# Altium PCB SIm800C-V2.PcbDoc
Units mil, origin at the board's own origin, x right, y up, seen from the top; angles counter-clockwise.
Board outline 2735 x 3935 mil, 2 copper layers (Top Layer, Bottom Layer); 67 components, 47 nets, 226 pads, 124 vias.
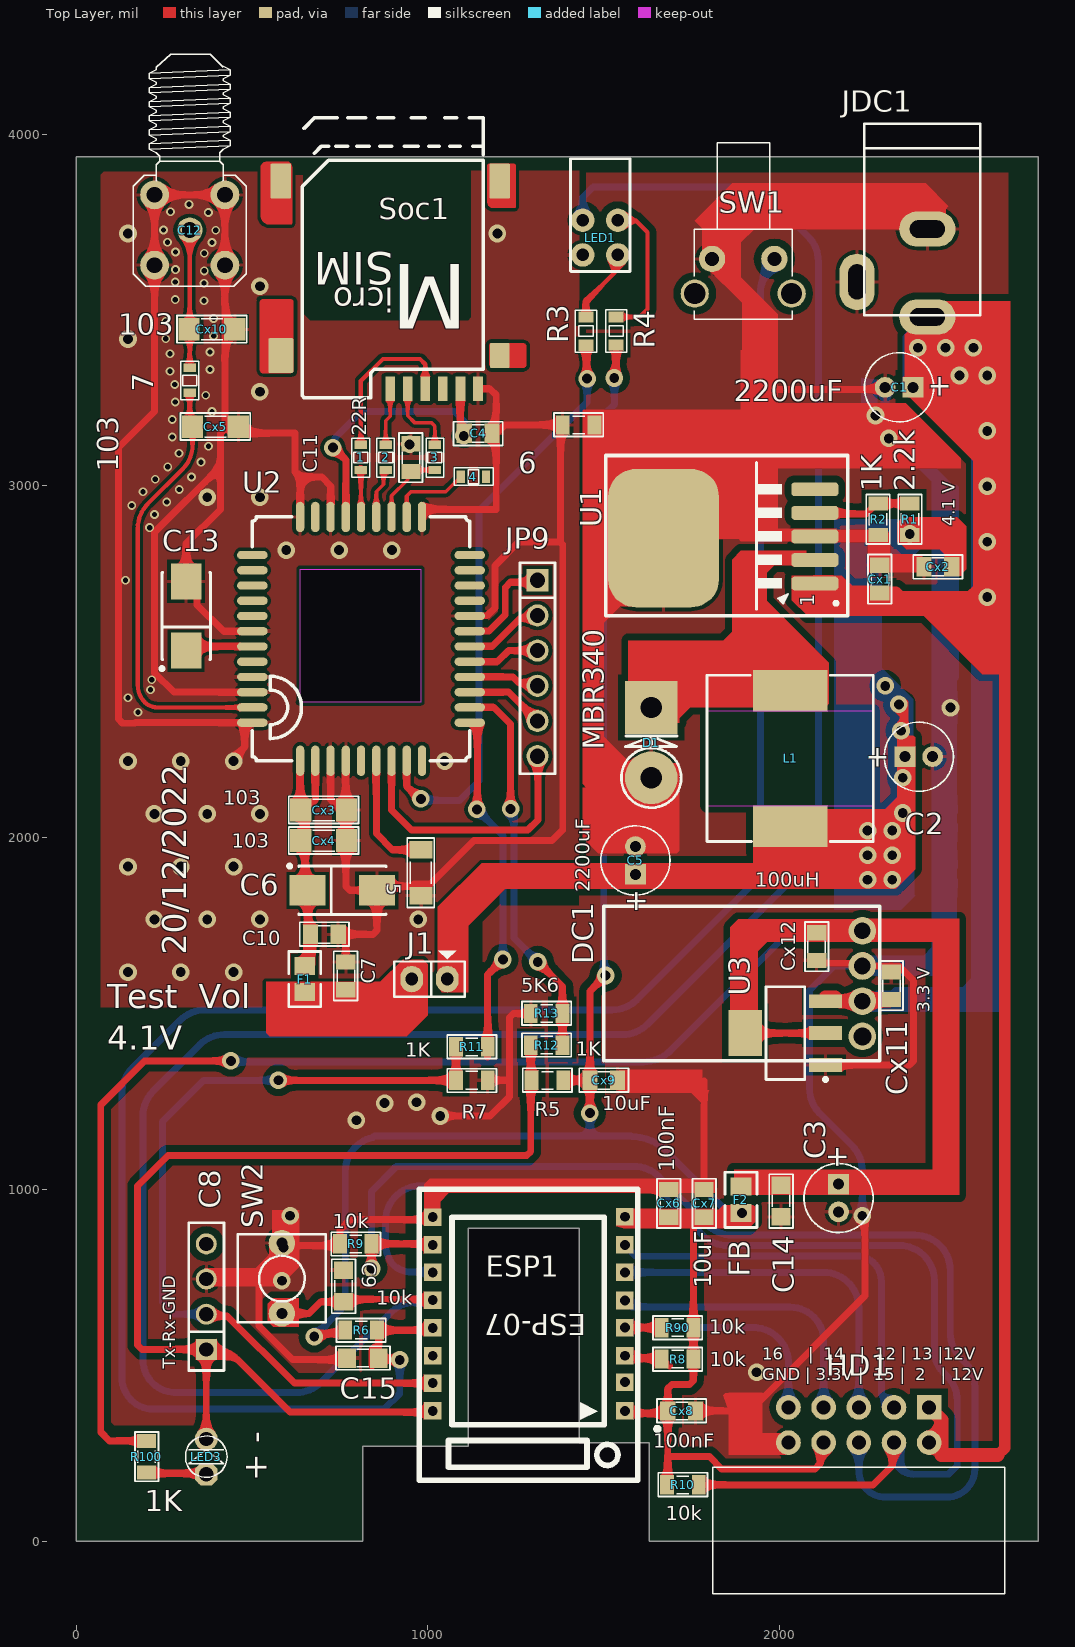
[diagram p0: Top Layer view]
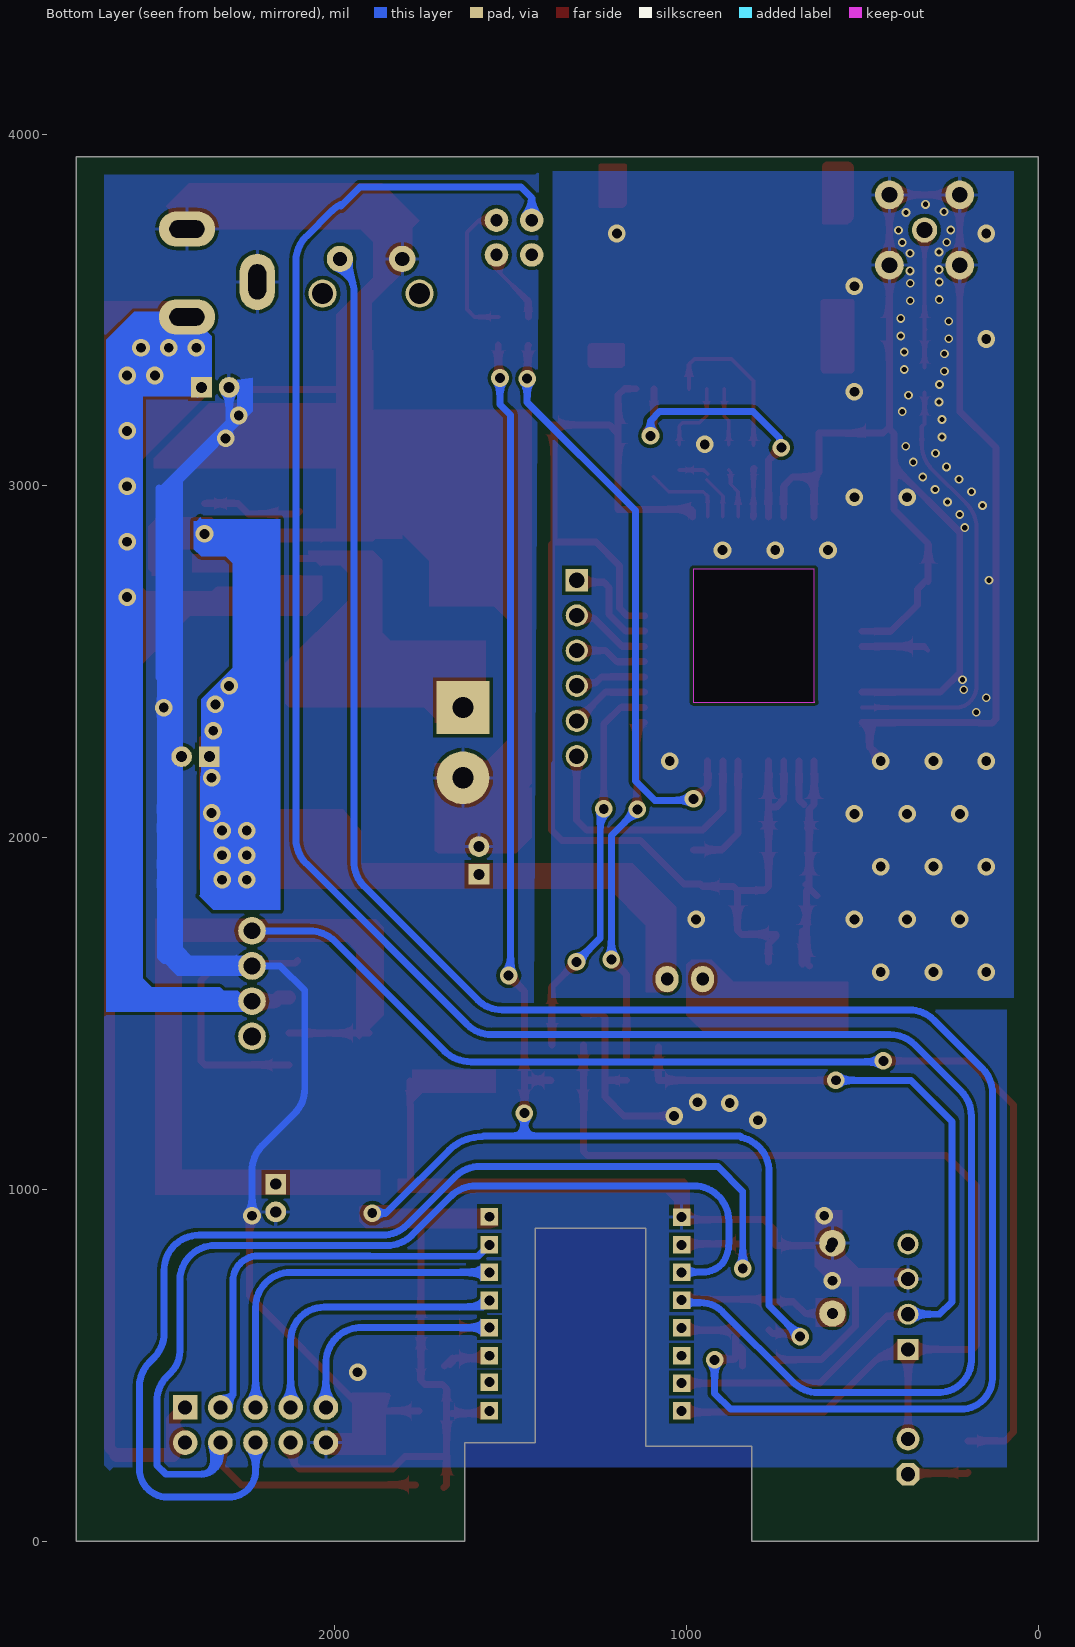
[diagram p1: Bottom Layer view, seen from below]

## Layer stack, top to bottom
Top Solder: solder mask 0.4, Solder Resist, Dk 3.5
Top Layer: signal copper 1.4
Dielectric 1: dielectric 12.6, FR-4, Dk 4.8
Bottom Layer: signal copper 1.4
Bottom Solder: solder mask 0.4, Solder Resist, Dk 3.5

## Board outline
0,0 815,0 815,270 1115,270 1115,890 1430,890 1430,280 1630,280 1630,0 2735,0 2735,3935 0,3935
cut-out: 980,2763.31 980,2385 635,2385 636.69,2386.69 636.69,2763.31

## Design rules (kind name [scope] priority, off if disabled: settings)
Clearance Clearance_5 [InNamedPolygon('SGND_L01_P015')] p1: gap=20 ignorepadtopadclearanceinfootprint=FALSE
Clearance Clearance_4 [InNamedPolygon('SGND_L01_P015')] p2: gap=10 ignorepadtopadclearanceinfootprint=FALSE except(0: Arc-Hole Track-Hole SMDPad-Hole THPad-Hole Via-Hole Fill-Hole Poly-Hole Region-Hole Text-Hole)
Clearance Clearance_3 [InNamedPolygon('SGND_L01_P015')] p3: gap=10 ignorepadtopadclearanceinfootprint=FALSE except(0: Arc-Hole Track-Hole SMDPad-Hole THPad-Hole Via-Hole Fill-Hole Poly-Hole Region-Hole Text-Hole)
Clearance "Polygon Top" [InNamedPolygon('GND_L01_P016')] p4: gap=20 ignorepadtopadclearanceinfootprint=FALSE
Clearance "Polygon Angten" [InNamedPolygon('SGND_L01_P005')] p5: gap=20 ignorepadtopadclearanceinfootprint=FALSE
Clearance Clearance_2 [InNamedPolygon('Top Layer-GND')] p6: gap=19.68 ignorepadtopadclearanceinfootprint=FALSE
Clearance Clearance_1 [InNamedPolygon('Bottom Layer-No Net')] p7: gap=19.68 ignorepadtopadclearanceinfootprint=FALSE
Clearance [All] p8: gap=10 ignorepadtopadclearanceinfootprint=FALSE except(0: Arc-Hole Track-Hole SMDPad-Hole THPad-Hole Via-Hole Fill-Hole Poly-Hole Region-Hole Text-Hole)
PolygonConnect PolygonConnect_6 [All vs IsNamedPolygon('GND_L_SIM_L01_P015')] p1: thpad.connectstyle=Relief thpad.reliefconductorwidth=10 thpad.reliefentries=4 thpad.polygonreliefangle="90 Angle" thpad.airgapwidth=10 smdpad.connectstyle=Relief smdpad.reliefconductorwidth=10 smdpad.reliefentries=4 smdpad.polygonreliefangle="90 Angle" smdpad.airgapwidth=10 via.connectstyle=Direct via.reliefconductorwidth=10 via.reliefentries=4 via.polygonreliefangle="90 Angle" via.airgapwidth=10
PolygonConnect PolygonConnect_5 [All vs IsNamedPolygon('GND_L01_P016')] p2: thpad.connectstyle=Relief thpad.reliefconductorwidth=10 thpad.reliefentries=4 thpad.polygonreliefangle="90 Angle" thpad.airgapwidth=10 smdpad.connectstyle=Relief smdpad.reliefconductorwidth=10 smdpad.reliefentries=4 smdpad.polygonreliefangle="90 Angle" smdpad.airgapwidth=10 via.connectstyle=Direct via.reliefconductorwidth=10 via.reliefentries=4 via.polygonreliefangle="90 Angle" via.airgapwidth=10
PolygonConnect PolygonConnect_4 [All vs IsNamedPolygon('GND_L_SIM_L01_P015')] p3: thpad.connectstyle=Relief thpad.reliefconductorwidth=10 thpad.reliefentries=4 thpad.polygonreliefangle="90 Angle" thpad.airgapwidth=10 smdpad.connectstyle=Direct smdpad.reliefconductorwidth=10 smdpad.reliefentries=4 smdpad.polygonreliefangle="90 Angle" smdpad.airgapwidth=10 via.connectstyle=Relief via.reliefconductorwidth=10 via.reliefentries=4 via.polygonreliefangle="90 Angle" via.airgapwidth=10
PolygonConnect PolygonConnect_3 [All vs IsNamedPolygon('GND_L02_P018')] p4: thpad.connectstyle=Relief thpad.reliefconductorwidth=10 thpad.reliefentries=4 thpad.polygonreliefangle="90 Angle" thpad.airgapwidth=10 smdpad.connectstyle=Relief smdpad.reliefconductorwidth=10 smdpad.reliefentries=4 smdpad.polygonreliefangle="90 Angle" smdpad.airgapwidth=10 via.connectstyle=Direct via.reliefconductorwidth=10 via.reliefentries=4 via.polygonreliefangle="90 Angle" via.airgapwidth=10
PolygonConnect PolygonConnect_2 [All vs IsNamedPolygon('GND_L_SIM_L02_P017')] p5: thpad.connectstyle=Relief thpad.reliefconductorwidth=10 thpad.reliefentries=4 thpad.polygonreliefangle="90 Angle" thpad.airgapwidth=10 smdpad.connectstyle=Relief smdpad.reliefconductorwidth=10 smdpad.reliefentries=4 smdpad.polygonreliefangle="90 Angle" smdpad.airgapwidth=10 via.connectstyle=Direct via.reliefconductorwidth=10 via.reliefentries=4 via.polygonreliefangle="90 Angle" via.airgapwidth=10
PolygonConnect PolygonConnect_1 [All vs IsNamedPolygon('GND_L_SIM_L01_P005')] p6: thpad.connectstyle=Relief thpad.reliefconductorwidth=10 thpad.reliefentries=4 thpad.polygonreliefangle="90 Angle" thpad.airgapwidth=10 smdpad.connectstyle=Relief smdpad.reliefconductorwidth=10 smdpad.reliefentries=4 smdpad.polygonreliefangle="90 Angle" smdpad.airgapwidth=10 via.connectstyle=Direct via.reliefconductorwidth=10 via.reliefentries=4 via.polygonreliefangle="90 Angle" via.airgapwidth=10
PolygonConnect [All] p7: connectstyle=Relief reliefconductorwidth=10 reliefentries=4 polygonreliefangle="90 Angle" airgapwidth=10
RoomDefinition Sheet1 [InComponentClass('Sheet1')] p1: confinementstyle=ConfineIn formatcopy=TRUE lockcomponents=FALSE outline 2815,70 4830,70 4830,610 2815,610
RoomDefinition MCU [InComponentClass('MCU')] p2: confinementstyle=ConfineIn formatcopy=TRUE lockcomponents=FALSE outline 2815,70 6030,70 6030,1180 2815,1180
RoomDefinition SIM [InComponentClass('SIM')] p3: confinementstyle=ConfineIn formatcopy=TRUE lockcomponents=FALSE outline 7455,1950 14135,1950 14135,2875 7455,2875
RoomDefinition Power [InComponentClass('Power')] p4: confinementstyle=ConfineIn formatcopy=TRUE lockcomponents=FALSE outline 6820,-780 15160,-780 15160,1030 6820,1030
RoutingVias [All] p1: holewidth=28 width=50 viastyle="Through Hole" minholewidth=28 minwidth=50 maxholewidth=28 maxwidth=50
SolderMaskExpansion [All] p1: expansion=4 istentingtop=FALSE
Width [All] p1: maxlimit=39.37 minlimit=10 preferedwidth=19.68
30 further rules are at their usual default settings.

## Classes and differential pairs
component class Sheet1: C8 LED1 LED3 R3 R4 R5 R7 R11 R12 R13 R100
component class MCU: C9 C14 C15 Cx6 Cx7 Cx8 Cx9 ESP1 F2 HD1 R6 R8 R9 R10 R90 SW1 SW2
component class SIM: 1 2 3 4 5 6 7 C4 C6 C7 C10 C11 C12 C13 Cx3 Cx4 Cx5 Cx10 F1 JP9 Soc1 U2
component class Power: C1 C2 C3 C5 Cx1 Cx2 Cx11 Cx12 D1 DC1 J1 JDC1 L1 R1 R2 U1 U3

## Components (designator, comment, footprint, x,y, rotation, side; value= is the part's Value field where it differs from the comment)
1 "22R" RES-SMD-0603 809.25,3080 r90 top
2 "22R" RES-SMD-0603 880,3080 r90 top
3 "22R" RES-SMD-0603 1020,3080 r90 top
4 "22R" RES-SMD-0603 1130.21,3025.99 r180 top
5 "Res" RES-SMD-1206 980,1900 r90 top
6 "Res" RES-SMD-0805 1428.32,3172.99 r180 top
7 "22R" RES-SMD-0603 323.02,3299.62 r90 top
C1 "2200uF" CA-ALU-5 2339.37,3280 r180 top value=104
C2 "330uF" CA-ALU-5 2395.63,2230 r0 top value=104
C3 "330uF" CA-ALU-5 2167.52,975.39 r270 top value=104
C4 "10uF" CN-SMD-0805 1142.61,3149 r0 top value=33pF
C5 "2200uF" CA-ALU-5 1590,1935 r90 top value=104
C6 "Cap" Cap_C 756.77,1850 r0 top
C7 "CN" CN-SMD-0805 766.69,1606.87 r270 top value=33pF
C8 "JP4" JP4-C1T 370,545 r90 top
C9 "104" SM-CAP-0805 760,680 r90 top value=0,1uF/300V
C10 "CN" CN-SMD-0805 705.63,1725 r180 top value=33pF
C11 "22pF" CN-SMD-0805 951.86,3080 r270 top value=33pF
C12 "210111003" SMA-RA 323.02,3727.26 r180 top
C13 "Cap" Cap_C 312.88,2629.96 r90 top
C14 "104" SM-CAP-0805 2003.74,922 r90 top value=0,1uF/300V
C15 "104" SM-CAP-0805 860,520 r180 top value=0,1uF/300V
Cx1 "1uF" CN-SMD-0805 2285,2735 r270 top value=33pF
Cx2 "100nF" CN-SMD-0805 2450,2770 r0 top value=33pF
Cx3 "103" CN-SMD-1206 702.62,2078.39 r0 top value=33pF
Cx4 "103" CN-SMD-1206 702.62,1991.41 r0 top value=33pF
Cx5 "103" CN-SMD-1206 395,3167.99 r0 top value=33pF
Cx6 "100nF" CN-SMD-0805 1685,960 r270 top value=33pF
Cx7 "10uF" CN-SMD-0805 1785,960 r90 top value=33pF
Cx8 "100nF" CN-SMD-0805 1721.25,370 r180 top value=33pF
Cx9 "10uF" CN-SMD-0805 1500,1310 r180 top value=33pF
Cx10 "103" CN-SMD-1206 385,3445 r0 top value=33pF
Cx11 "1uF" CN-SMD-0805 2317.5,1578.88 r270 top value=33pF
Cx12 "1uF" CN-SMD-0805 2105,1690 r90 top value=33pF
D1 "MBR340" DIO-5AN 1635,2370 r270 top value=1N5007
DC1 "DC_V2" DC_V2 2285,1365 r180 top
ESP1 "ESP_8266" ESP12_small 1287.95,586.5 r180 top
F1 "600R@100Mhz" Capacitor_805 650,1597.77 r270 top
F2 "FB" Capacitor_805 1890,970.18 r90 top
HD1 "IDC 5x2" IDC10-BH 2225,185 r180 top value="Header 5x2"
J1 "Jumper 2" JP2 1055,1597.77 r180 top value="JP 2"
JDC1 "Jac DC" DC0 2320,3605 r270 top
JP9 "JP6" JP6-D1T 1311.62,2731.54 r270 top
L1 "100uH" L-SMD-M-12x10 2030,2225 r0 top
LED1 "LED3" LedC 1574.65,3929.8 r180 top
LED3 "LED" LED-3MM-GREEN 370,190 r90 top value="LED 3 ly Single Colour"
R1 "2.2k" RES-SMD-0805 2370,2905 r90 top
R2 "1K" RES-SMD-0805 2280,2905 r270 top
R3 "R" RES-SMD-0603_BIG 1449.46,3439.75 r270 top
R4 "R" RES-SMD-0603_BIG 1535,3440 r270 top
R5 "Res" RES-SMD-0805 1340,1310 r180 top
R6 "10k" RES-SMD-0805 810,600 r0 top
R7 "Res" RES-SMD-0805 1125,1310.08 r0 top
R8 "10k" RES-SMD-0805 1710,517.51 r0 top
R9 "10k" RES-SMD-0805 795,845 r0 top
R10 "10k" RES-SMD-0805 1725,160 r180 top
R11 "1K" RES-SMD-0805 1125,1405 r180 top
R12 "1K" RES-SMD-0805 1337.5,1410 r180 top
R13 "5K6" RES-SMD-0805 1337.5,1500 r180 top
R90 "10k" RES-SMD-0805 1710,607 r0 top
R100 "1K" RES-SMD-0805 200,240 r90 top
Soc1 "MicroSIM" microSIM 1142.61,3275.92 r180 top
SW1 "SW" SW1-DIP 1985,3645 r180 top value="SW chip 2 pin"
SW2 "SW" SW2 585,646.95 r90 top value="SW chip 2 pin"
U1 "LM" "TO263 - duplicate" 1865,2841.22 r90 top
U2 "SIM800C" SIM800C 810,2565 r180 top
U3 "LM1117-3.3V" SOT223 2016.16,1444.2 r90 top

## Footprints (in the part's own frame and the unit in brackets; to place one, negate y for a bottom-side part, rotate by r counter-clockwise, add the part's x,y. Pads: shape width x height; smd on the part's side, far side on the other; paste and mask are expansions set on the pad)
CA-ALU-5 [mm] "Polarized capacitors, Aluminum Electrolytic Capacitors, 2-Leads, Body 5x11x2x0.5"
  rect 1.5x1.5 hole 0.8: 1(-1,0)
  round 1.5 hole 0.8: 2(1,0)
  silkscreen extent -2.5,-2.5 2.5,2.5, body extent -2.41,-2.5 2.59,2.5, height 11
Cap_C [mm] "Capacitor, SM Tantalum; Body 6.0 x 3.2 mm (LxW typ)"
  rect 2.6x2.2 smd: 1(-2.5,0) 2(2.5,0)
  silkscreen extent -3.92,-1.75 3.15,1.87, body extent -3,-1.6 3,1.6, height 2.5
Capacitor_805 [mm]
  rect 1.3x1.5 smd: 1(0.95,0) 2(-0.95,0)
  silkscreen extent -2,-1.15 2,1.15, body extent -1,-0.63 1,0.62, height 0.78
CN-SMD-0805 [mil]
  rect 43.31x55 smd: 1(-39.36,0.01) 2(39.37,0.01)
  silkscreen extent -70,-34 70,33, body extent -39,-25 39,25, height 31
CN-SMD-1206 [mil]
  rect 60x65 smd: 1(-64,0) 2(66,0)
  silkscreen extent -98,-38 100,39, body extent -63,-31 63,32, height 40
DC0 [mil] "Jac DC input"
  oval 100x160 hole 50 slot 100 at 90 deg: 1(125,100) 2(-125,100)
  oval 160x100 hole 50 slot 100 at 0 deg: 3(25,-100)
  silkscreen extent -425,-80 120,250, body extent -410,-105 134,269, height 434
DC_V2 [mm]
  round 2 hole 1.2: 1(1.27,-4.318) 2(1.27,-6.858) 3(1.27,-9.398)
  round 2 hole 1.3: 4(1.27,-1.778)
  silkscreen extent 0,-11.18 19.94,0
DIO-5AN [mil] "Diode 5A, W 200mil, L 250mil"
  round 150 hole 60: 1(200,0)
  rect 150x150 hole 60: 2(0,0)
  silkscreen extent 81,-85 285,85, body extent -32,-111 222,90, height 451
ESP12_small [mil]
  rect 50x50 hole 27.95: 1(-272.05,216.5) 2(-272.05,134.5) 3(-272.05,59.5) 4(-272.05,-20.5) 5(-272.05,-97.5) 6(-272.05,-177.5) 7(-272.05,-255.5) 8(-272.05,-335.5) 9(274.13,-334.5) 10(274.13,-255.5) 11(274.13,-177.5) 12(274.13,-98.5) 13(274.13,-19.5) 14(274.13,59.5) 15(274.13,137.5) 16(274.13,216.5)
  silkscreen extent -370,-414 312,414, body extent -319,-392 320,552, height 354
IDC10-BH [mil]
  rect 70x70 hole 40: 1(-200,-195)
  round 70 hole 40: 2(-200,-95) 3(-100,-195) 4(-100,-95) 5(0,-195) 6(0,-95) 7(100,-195) 8(100,-95) 9(200,-195) 10(200,-95)
  silkscreen extent -415,-25 415,335, body extent -412,-204 412,330, height 354
JP2 [mil]
  oval 65x75 hole 36: 1(0,0) 2(101,0)
  silkscreen extent -50,-81 150,50, body extent -48,-50 148,48, height 323
JP4-C1T [mm] "4 row, straight, gold plating"
  rect 1.52x1.52 hole 1.02: 1(0,0)
  round 1.52 hole 1.02: 2(2.54,0) 3(5.08,0) 4(7.62,0)
  silkscreen extent -1.52,-1.27 9.14,1.27, body extent -1.52,-1.25 9.14,1.25, height 8.51
JP6-D1T [mm] "6 pins, 1 row, straight, gold plating"
  rect 1.6x1.6 hole 1.1: 1(0,0)
  round 1.6 hole 1.1: 2(2.54,0) 3(5.08,0) 4(7.62,0) 5(10.16,0) 6(12.7,0)
  silkscreen extent -1.27,-1.27 13.97,1.27, body extent -1.27,-1.27 13.97,1.27, height 8.54
L-SMD-M-12x10 [mm] "WE-PDA SMD Shielded Power Inductor, 1210"
  rect 5.4x3 smd: 1(0,4.9) 2(0,-4.9)
  Top Layer keep-out region: -6,-3.4 6,-3.4 6,3.4 -6,3.4
  silkscreen extent -6,-6 6,6, body extent -6,-6 6,6, height 9.7
LED-3MM-GREEN [mil]
  oct 65x65 hole 40: 1(0,0)
  round 65 hole 40: 2(100,0)
  silkscreen extent -9,-59 109,59, body extent -15,-70 112,60, height 182
LedC [mm]
  round 1.7 hole 0.9: 1(0.88,4.44) 2(3.42,4.44) 3(0.88,6.947) 4(3.42,6.947)
  silkscreen extent 0,0 4.3,8.13
microSIM [mm] "microSIM PUSH"
  rrect10% 0.7x1.8 smd: 1(1.27,0) 2(3.81,0) 3(6.35,0) 5(0,0) 6(2.54,0) 7(5.08,0)
  rrect10% 1.4x1.8 smd: 10(-1.56,-2.4)
  rrect10% 1.8x2.5 smd: 11(14.24,-2.4)
  rrect10% 1.5x2.5 smd: 12(-1.56,-15) 13(14.24,-15)
  silkscreen extent -0.38,-19.56 12.7,0.63, body extent -0.94,-16.45 13.46,-0.45, height 1.26
RES-SMD-0603 [mm]
  rect 0.6x0.9 smd: 1(-0.889,0) 2(0.927,0)
  silkscreen extent -1.4,-0.64 1.4,0.64, body extent -0.8,-0.4 0.8,0.4, height 0.43
RES-SMD-0603_BIG [mm]
  rect 0.8x1.1 smd: 1(-1.016,0) 2(1.016,0)
  silkscreen extent -1.52,-0.76 1.52,0.76, body extent -0.8,-0.4 0.8,0.4, height 0.43
RES-SMD-0805 [mil]
  rect 39.37x55 smd: 1(-45,0) 2(45,0)
  silkscreen extent -70,-34 70,33, body extent -39,-25 39,25, height 31
RES-SMD-1206 [mil]
  rect 50x65 smd: 1(-65,0) 2(65,0)
  silkscreen extent -99,-38 99,39, body extent -63,-31 63,32, height 40
SIM800C [mm]
  oval 2.2x0.6 smd: 1(-7.85,6.05) 2(-7.85,4.95) 3(-7.85,3.85) 4(-7.85,2.75) 5(-7.85,1.65) 6(-7.85,0.55) 7(-7.85,-0.55) 8(-7.85,-1.65) 9(-7.85,-2.75) 10(-7.85,-3.85) 11(-7.85,-4.95) 12(-7.85,-6.05) 22(7.85,-6.05) 23(7.85,-4.95) 24(7.85,-3.85) 25(7.85,-2.75) 26(7.85,-1.65) 27(7.85,-0.55) 28(7.85,0.55) 29(7.85,1.65) 30(7.85,2.75) 31(7.85,3.85) 32(7.85,4.95) 33(7.85,6.05)
  oval 0.6x2.2 smd: 13(-4.4,-8.8) 14(-3.3,-8.8) 15(-2.2,-8.8) 16(-1.1,-8.8) 17(0,-8.8) 18(1.1,-8.8) 19(2.2,-8.8) 20(3.3,-8.8) 21(4.4,-8.8) 34(4.4,8.8) 35(3.3,8.8) 36(2.2,8.8) 37(1.1,8.8) 38(0,8.8) 39(-1.1,8.8) 40(-2.2,8.8) 41(-3.3,8.8) 42(-4.4,8.8)
  silkscreen extent -7.85,-8.8 7.85,8.8, body extent -7.85,-8.8 7.85,8.8, height 2.37
SM-CAP-0805 [mil]
  rect 50x55 smd: 1(0,0) 2(90,0)
  silkscreen extent -32,-34 121,33, body extent 6,-25 84,25, height 31
SMA-RA [mil]
  round 72 hole 45: 1(0,0)
  round 82 hole 45: 2(-100,-100) 3(100,-100) 4(100,100) 5(-100,100)
  silkscreen extent -160,-500 160,160, body extent -137,-457 139,137, height 394
SOT223 [mm]
  rect 1x2.4 smd: 1(-2.3,-2.9) 2(0,-2.9) 3(2.3,-2.9)
  rect 3.3x2.4 smd: 4(0,2.9)
  silkscreen extent -3.47,-3.03 3.35,1.4, body extent -3.25,-3.56 3.25,3.4, height 1.68
SW1-DIP [mil]
  round 75 hole 40: 1(0,0) 2(177.16,0)
  round 80 hole 60: ""(-49.21,98.43) ""(226.38,98.43)
  silkscreen extent -51,-331 228,171, body extent -87,-398 265,160, height 283
SW2 [mil] "SW button 2pin, 250x 250 mil"
  round 75 hole 31: 1(0,0) 2(200,0)
  silkscreen extent -25,-125 225,125
"TO263 - duplicate" [mm]
  rrect50% 1x3.4 smd: 1(-3.019,-5.969) 2(-1.319,-5.969) 4(2.081,-5.969) 5(3.781,-5.969)
  rrect50% 1x3.4 smd mask+0: 3(0.381,-5.969)
  rrect50% 10x8 smd: 6(0.254,4.953)
  silkscreen extent -5.33,-8.35 6.22,9.14, body extent -4.73,-6.84 5.43,7.8, height 4.57

## Part data
1 2 3 4 5 6 7 R1 R2 R5 R6 R7 R8 R9 R10 R11 R12 R13 R90 R100: library part Res-SMD, "Resistor", Manufacturer="Generic Components", Class=Passive, Published=08/06/2000, Publisher="Altium Hobart Technology Centre"
C1 C2 C3 C5: library part CN-ALU-DIP, "Capacitor (Semiconductor SIM Model)", LatestRevisionDate=17-Jul-2002, LatestRevisionNote="Re-released for DXP Platform.", PackageReference=C1206, Publisher="Altium Limited"
C4 C9 C11 C14 C15 Cx1 Cx2 Cx3 Cx4 Cx5 Cx6 Cx7 Cx8 Cx9 Cx10 Cx11 Cx12: library part CN
  C9 C14 C15: Designed by=VanDungEvn
C6 C13: library part Cap_tan, "Polarized Capacitor (Radial)"
C8: "WR-PHD 2.54 mm Angled Socket Header", Manufacturer="W¨¹rth Elektronik eiSos GmbH", partNo=613004143121, ComponentLink1 Description=Manufacturer, ComponentLink1URL=http://www.we-online.com, ComponentLink2 Description=Datasheet, ComponentLink2URL=http://katalog.we-online.de/em/datasheet/6130xx143121.pdf, Created by="Karrer Zheng", Created Date="29 March 2013", NoPins=04
C12: library part "CON Ant", "CONNECTOR ANTEN", Manufacturer="Würth Elektronik eiSos GmbH", ComponentLink1Description=Manufacturer, ComponentLink1URL=http://www.we-online.de, ComponentLink2Description=Datasheet, ComponentLink2URL=http://katalog.we-online.de/kataloge/eisos/index.php?language=en&pf=Filter_gerade, Created by="Christin Zierenner", Created Date="May 2012", partNo=210111003
D1: library part Diode, "Default Diode", Code - JEDEC=DO-214-AB, Published=8-Jun-2000, Publisher="Altium Limited", Revision="July-2002: Re-released for DXP Platform."
DC1: library part DC_Module_V2
F1 F2: library part Ferrite
HD1: library part "IDC 5X2"
J1: library part "JP 2"
JDC1: library part DCIN, "Jac DC input"
JP9: "WR-PHD 2.54 mm Angled Socket Header", Manufacturer="W¨¹rth Elektronik eiSos GmbH", partNo=613006143121, ComponentLink1 Description=Manufacturer, ComponentLink1URL=http://www.we-online.com, ComponentLink2 Description=Datasheet, ComponentLink2URL=http://katalog.we-online.de/em/datasheet/6130xx143121.pdf, Created by="Karrer Zheng", Created Date="29 March 2013", NoPins=06
L1: library part L-SMD-1, Inductance="1.0 μH", Manufacturer="Wurth Elektronik", partNo=78477010, ComponentLink1Description=Manufacturer, ComponentLink1URL=http://www.we-online.de, ComponentLink2Description=Datasheet, ComponentLink2URL=http://katalog.we-online.de/pbs/datasheet/78477010.pdf, Created by="Baojun Chen", Created Date=Nov.2015
LED1: library part LED, "LED 3mm"
LED3: "LED Single colour Green and Red"
Soc1: library part Soc_Micro_SIM
SW1 SW2: library part SW2, "Switch button 2 pin"
U1: library part LM2596_1, Max Input Voltage="12 V", Max Output Current="3 (6.0 peak) A", Max Output Voltage=mV, Temperature Range="-40 to +125 degC", Category=IC-Power, Min Input Voltage=mV, Min Output Voltage=mV, Mounting Technology="Surface Mount", Status=Unreleased, Supply Voltage=mV
U3: library part LM1117, "800mA Low-Dropout Linear Regulator", Creator="Nguyen Ba Bien", Website=http://group3i.net

## Via types
v1: diameter 50, hole 28, Top Layer to Bottom Layer, tented both sides, 64 vias
v2: diameter 25, hole 15, Top Layer to Bottom Layer, 46 vias
v3: diameter 50, hole 28, Top Layer to Bottom Layer, 14 vias

## Nets (pads, with @x,y where several pads share a name; then routed paths per layer and width w, separated by ;. In a path a pad name is that pad's centre, name@x,y a point inside that pad or via, vN(x,y) a via of type N, cw(c..) or ccw(c..) an arc to the next point about the centre after c; other vN are vias at no path point)
4V: C7.2 F1.1 J1.2 | length 379.6
  Top Layer w19.68: 590,1560 720.01,1560 801.78,1560 916.23,1560 J1.2
+12: C1.1 Cx1.2 Cx11.2 DC1.1 HD1.1 HD1.2 JDC1.1 U1.1 U3.3 | length 6005.4
  Top Layer w19.68: JDC1.1@2450,3480 2378.74,3408.74 C1.1 2592.2,3066.54
  Top Layer w31.5: 2620,245 2640,265 2640,2569.77
  Top Layer w39.37: U1.1@2100,2726.14 2147.24,2726.14 2147.24,2718.69 2170.31,2695.63 Cx1.2 2286.97,2693.66 2329,2693.66 2359.35,2663.31 2370,2663.31 ; U3.3@2130.34,1545.55 2157.9,1545.55 2168.45,1535 DC1.1@2255,1535 ; DC1.1 2237.54,1537.54 2315.54,1537.54 Cx11.2 ; HD1.1 2460,345 2460,245 2620,245 ; 2595,3063.74 2603.94,3054.8 2603.94,2605.83
  Bottom Layer w19.68: 2288.98,1525 2328.98,1565 2530,1565 2585,1620 2585,2605.83 ; JDC1.1@2450,3480 2418.74,3448.74 2506.26,3448.74 2585,3370 2585,3078.27
  other v1: 2590,2683.74 2590,2841.22 2590,2998.7 2590,3156.18 2511.26,3313.66 2590,3313.66 2393.15,3392.4 2471.89,3392.4 2550.63,3392.4
CD: 4.1
ENB: ESP1.3 R8.1 | length 151.6
  Top Layer w19.68: ESP1.3@1560,520 1655,520 R8.1@1672.5,502.5 ; R8.1@1665,520.01 1687.5,497.51
GND: 6.1 C1.2 C2.2 C3.2 C5.2 C8.3 C9.2 C14.1 C15.2 Cx1.1 Cx2.1 Cx6.1 Cx7.2 Cx8.1 Cx9.1 Cx11.1 Cx12.1 D1.1 DC1.2 ESP1.9 HD1.10 JDC1.2 JDC1.3 R2.2 R7.2 R9.1 R13.2 SW1.2 SW2.2 U1.3 U1.6 U3.1 | length 12646.5
  Top Layer w19.68: C8.3 510,745 519.4,754.4 ; v1@600,907.8 SW2.2@600,870 ; C15.2@759.72,515.71 615.44,515.71 575.13,556.02 519.4,611.75 519.4,754.4 ; v1(1035,1208.58) 1176.89,1208.58 1231.53,1263.22 1231.53,1314.62 ; R7.2 1226.99,1310.08 1231.53,1314.62 ; R13.2 1243.06,1500 1231.53,1488.47 1231.53,1314.62 ; 1470,2175.7 1472.85,2172.85 D1.1@1590,2172.85 ; 1563.49,1312.31 1724.98,1312.31 1785.63,1251.66 ; U1.6 1670,3165 1655,3180 ; Cx8.1 1870,369.99 1890,390 ; 1785.63,1308.8 1785.63,1251.66 ; 1864.36,390 1890,390 ; Cx12.1 2112.81,1642.82 DC1.2@2217.82,1642.82 ; U3.1 2368.47,1353.65 2380,1365.18 2380,1594 2339,1635 DC1.2@2255,1635 ; 2200,3180 1940,3180 ; DC1.2@2207.2,1632.2 DC1.2@2217.82,1642.82 ; v3(2235,925) 2242.5,917.5 2242.5,697.5 1935,390 1890,390 ; DC1.2 2227.18,1642.82 DC1.2@2217.82,1642.82 ; 2235,2860 1965,2860 1940,2885 1940,3180 ; DC1.2@2240,1665 DC1.2@2217.82,1642.82 ; R2.2 2280,2779.37 Cx1.1 2375.01,2774.36 ; C1.2@2287.96,3273.85 1940,3273.85 ; JDC1.2 2390,3730 2330.74,3789.26 1952.09,3789.26 SW1.2 1903.1,3549.74 1903.1,3304.63 1927.73,3280 1935.57,3280 1940,3275.57 1940,3273.85 ; 519.4,754.4 600,835 SW2.2@600,870 ; SW2.2@600,870 630,840 745,840 R9.1 750,885 779,914 1013.82,914 ESP1.9 1013.82,973.82 1039.36,999.36 Cx6.1 1700.02,1014.37 1784.99,1014.37 1784.99,1239.36 1785.63,1240 1785.63,1251.66 ; D1.1@1590,2172.85 C5.2 1635,2019.37 D1.1 1632.15,2172.85 D1.1@1590,2172.85 ; D1.1@1590,2172.85 1590,2179.74 1566.59,2203.15 1559.7,2203.15 1455,2307.85 1455,3150.58 1484.42,3180 1655,3180 ; 1655,3180 1940,3180 ; 1940,3180 1940,3273.85
  Bottom Layer w19.68: v3(2235,925) 2235,1053.58 ccw(c2135,1053.58) 2205.71,1124.29 2114.29,1215.71 cw(c2185,1286.42) 2085,1286.42 2085,1565 2155,1635 DC1.2 DC1.2@2255,1635 ; DC1.2@2240,1665 2255,1650 2485,1650 2495,1660 2495,2235 ; v1@2300,3135 C1.2 ; C2.2 2490,2230 2495,2235 ; 2500,2994.37 2500,2455 2495,2450 2495,2235
  other v1: 1934.65,479.84 585,740 590,835 608.36,925 796.7,1196.27 876.93,1245 968.05,1247.5 2485.83,2369.61 2310,3135 2272.5,3200
GND_L_SIM: 5.1 6.2 C4.2 C6.2 C7.1 C10.1 C11.1 C12.2 C12.3 C12.4 C12.5 C13.2 Cx3.2 Cx4.2 Cx5.2 Cx10.2 LED1.4 Soc1.5 U2.8 U2.13 U2.19 U2.21 U2.27 U2.30 U2.31 U2.33 U2.36 U2.37 | length 9185.2
  Top Layer w19.68: C13.2 312.88,2835.71 410,2932.83 410,3055 ; C13.2@312.88,2736.26 343.18,2705.95 343.18,2661.82 418.35,2586.65 U2.27 ; v1(447.55,2217.42) 447.55,2225.63 479.29,2257.37 479.29,2324.99 U2.33@481.11,2326.81 ; U2.33 U2.33@481.11,2326.81 ; U2.31 277.94,2413.43 223.02,2468.35 223.02,2868.02 410,3055 ; U2.21 636.77,3025.15 ; U2.36 723.39,2108.49 744.99,2086.89 760.85,2086.89 Cx3.2@766.69,2081.04 ; U2.19 723.39,3000.13 698.36,3025.15 636.77,3025.15 ; C7.1 766.69,1697.44 744.99,1719.15 C10.1 843.66,1724.99 855.19,1736.52 C6.2 ; U2.37 Cx3.2@766.69,2081.04 ; v3(948.07,3117.75) 950.25,3117.75 C11.1 ; U2.13 983.23,2928.33 985.05,2930.15 985.05,2933.11 1194.37,2933.11 C4.2@1194.37,3149 ; U2.8 1119.81,2630.71 1168.55,2630.71 1190.32,2652.48 1190.32,2772.82 1257.5,2840 1377.07,2840 ; Soc1.5 1176.07,3275.92 1194.37,3257.62 C4.2@1194.37,3149 ; 410,3055 410,3149 426,3165 ; 426,3165 440.96,3150.04 622.54,3150.04 622.54,3039.37 636.77,3025.15 ; 426,3165 423.02,3167.99 C12.5 C12.2 C12.3 C12.4 223.02,3211.71 120,3108.69 120,2336.53 131.53,2325 166.53,2325 168.34,2326.81 U2.33@481.11,2326.81 ; Cx3.2@766.69,2081.04 766.69,1861.53 778.22,1850 C6.2 ; C6.2 866.6,1861.41 954,1861.41 960.17,1867.58 1006.95,1867.58 1130.77,1991.41 1353.34,1991.41 1383.32,2021.39 1383.32,2833.75 1377.07,2840 ; C4.2@1194.37,3149 1218.36,3172.99 6.2 1377.07,3166.74 1377.07,2840
  other v1: 147.55,1617.42 447.55,1617.42 222.55,1767.42 372.55,1767.42 522.55,1767.42 972.55,1767.42 147.55,1917.42 297.55,1917.42 447.55,1917.42 222.55,2067.42 372.55,2067.42 522.55,2067.42 147.55,2217.42 297.55,2217.42 1047.55,2217.42 597.55,2817.42 747.55,2817.42 897.55,2817.42 372.55,2967.42 522.55,2967.42 522.55,3267.42 147.55,3417.42 522.55,3567.42 147.55,3717.42 1197.55,3717.42
  other v2: 176.14,2356.4 147.55,2397.42 211.6,2420.44 215.06,2448.86 140.08,2731.44 208.99,2881.16 222.71,2918.53 158.4,2944.27 257.68,2954.27 189.78,2983.19 293.04,2989.63 225.14,3018.55 328.22,3025.15 260.49,3053.9 355.02,3067.36 292.19,3092.57 376.34,3112.59 273.27,3138.86 273.27,3188.86 386.43,3210.97 281.92,3238.1 368.47,3257.64 280.36,3288.08 266.76,3325.65 380.7,3330.75 266.76,3375.65 380.7,3380.75 254.55,3418.15 390.93,3426.06 254.55,3468.15 390.93,3476.06 363.7,3525.87 281.54,3529.37 363.7,3575.87 281.54,3579.37 364.43,3611.07 282.28,3614.58 364.43,3661.07 282.28,3664.58 386.22,3691.91 260.07,3692.55 248.31,3727.43 396.87,3726.87 375.91,3776.87 268.03,3778.92 320.58,3800.1
  other v3: 297.55,1617.42
GPIO0: C9.1 ESP1.12 LED1.2 SW2.1 | length 6948.1
  Top Layer w19.68: SW2.1 SW2.1@603.72,646.95 ; SW2.1@600,632.2 600,643.23 SW2.1@603.72,646.95 ; SW2.1@608.5,675 608.5,651.73 SW2.1@603.72,646.95 ; ESP1.12@1011.82,680 ESP1.12@1013.82,678 ; ESP1.12 1011.32,687.5 767.5,687.5 C9.1 695.01,680 661.96,646.95 SW2.1@603.72,646.95
  Bottom Layer w19.68: ESP1.12@1013.82,678 960,678 ccw(c960,588.67) 896.84,651.84 696.79,451.79 cw(c626.08,522.5) 626.08,422.5 282.5,422.5 cw(c282.5,515) 271.89,423.11 cw(c282.5,515) 190.61,504.39 cw(c282.5,515) 190,515 190,1208.58 cw(c290,1208.58) 219.29,1279.29 350.71,1410.71 cw(c421.42,1340) 421.42,1440 1553.58,1440 ccw(c1553.58,1540) 1624.29,1469.29 2080.71,1925.71 ccw(c2010,1996.42) 2110,1996.42 2110,3638.58 ccw(c2010,3638.58) 2080.71,3709.29 2009.29,3780.71 ccw(c1938.58,3710) 1973.97,3803.53 ; LED1.2 1440,3820 1470,3850 1927.5,3850 1973.97,3803.53 ; 1982.5,3795 1973.97,3803.53
GPIO2: ESP1.11 HD1.4 R10.1 | length 3425.1
  Top Layer w19.68: R10.1 2265,160 2320.47,215.47 2320.47,275.47 HD1.4
  Bottom Layer w19.68: ESP1.11 ccw(c1011.4,761.59) 1011.4,765 953.9,765 cw(c953.9,842.88) 898.83,787.81 cw(c979.48,846.95) 882.51,822.49 cw(c979.48,846.95) 879.48,846.95 879.48,910 cw(c979.48,910) 979.48,1010 1598.58,1010 cw(c1598.58,910) 1669.29,980.71 1780.24,869.76 ccw(c1850.95,940.47) 1850.95,840.47 2340,840.47 cw(c2340,740.47) 2440,740.47 2440,540.47 ccw(c2525.62,540.47) 2465.06,479.94 ; HD1.4 2325,245 ccw(c2380,245) 2380,190 2480,190 2505,215 2505,400 ccw(c2408.43,400) 2476.72,468.28 2465.08,479.92
GPIO4: C15.1 ESP1.13 R6.2 SW1.1 | length 6008.6
  Top Layer w19.68: C15.1@840.85,497.51 840.85,544.15 849.26,552.56 851.59,552.56 851.59,527.85 C15.1@850.74,527 ; v3(920,515) 917.5,517.5 862.5,517.5 C15.1 860,527.85 860,552.56 860,581.19 850,591.19 857.81,599 1006.82,599 ESP1.13
  Bottom Layer w19.68: v3(920,515) 920,420 875,375 220,375 cw(c220,465) 209.37,375.63 cw(c220,465) 130.63,454.37 cw(c220,465) 130,465 130,1273.58 cw(c230,1273.58) 159.29,1344.29 295.71,1480.71 cw(c366.42,1410) 366.42,1510 1523.58,1510 ccw(c1523.58,1610) 1594.29,1539.29 1915.71,1860.71 ccw(c1845,1931.42) 1945,1931.42 1945,3548.58 cw(c2045,3548.58) 1974.29,3619.29 SW1.1@2000,3645
GPIO12: ESP1.6 HD1.5 | length 1006.1
  Bottom Layer w19.68: ESP1.6 2125,764 cw(c2125,664) 2225,664 HD1.5
GPIO13: ESP1.7 HD1.3 | length 1158.1
  Bottom Layer w19.68: ESP1.7 1592.21,809.79 1898.17,809.79 1899.17,810.79 2218.19,810.79 cw(c2218.19,740) 2288.98,740 2288.98,416.02 HD1.3
GPIO14: ESP1.5 HD1.7 | length 817.1
  Bottom Layer w19.68: ESP1.5 1579,665 2030,665 cw(c2030,570) 2125,570 HD1.7
GPIO15: ESP1.10 HD1.6 R9.2 | length 3354.7
  Top Layer w19.68: v1(840,775) R9.2 1003.82,845 ESP1.10@1013.82,835
  Bottom Layer w19.68: v1(840,775) 840,994.45 910.05,1064.5 cw(c920,965) 920,1065 1586.6,1065 cw(c1586.6,965) 1657.31,1035.71 1793.57,899.45 ccw(c1864.28,970.16) 1864.28,870.16 2385,870.16 cw(c2385,770.16) 2485,770.16 2485,591.42 ccw(c2585,591.42) 2514.29,520.71 2525.71,509.29 cw(c2455,438.58) 2555,438.58 2555,205 cw(c2475,205) 2475,125 2300,125 cw(c2300,200) 2276.08,128.92 cw(c2300,200) 2228.92,176.08 cw(c2300,200) 2225,200 HD1.6
GPIO16: ESP1.4 HD1.9 R90.1 | length 756.9
  Top Layer w19.68: ESP1.4 R90.1@1667.83,607
  Bottom Layer w19.68: ESP1.4 1925,607 cw(c1925,507) 1938.98,606.02 cw(c1925,507) 2024.02,520.98 cw(c1925,507) 2025,507 HD1.9
GSM_ANTEN: 7.2 C12.1 Cx10.1 | length 392.8
  Top Layer w12: 7.2 323.01,3442.99 Cx10.1 323.02,3447.01 C12.1
LED_SIM: R3.2 U2.41 | length 1685.4
  Top Layer w19.68: U2.41 939.92,2145.71 975.79,2109.84 v3(980,2109.84) ; R3.2 1451.12,3398.09 1451.12,3306.41 v3(1452.77,3304.75)
  Bottom Layer w19.68: v3(980,2109.84) 984.3,2105.54 1090,2105.54 1145,2160.54 1145,2929.84 1452.77,3237.62 v3(1452.77,3304.75)
Net1_2: 1.2 Soc1.2 | length 466.9
  Top Layer w12: 1.2 809.24,3298.01 872.03,3360.8 977.43,3360.8 992.61,3345.61 Soc1.2
Net2_2: 2.2 Soc1.3 | length 164.7
  Top Layer w10: 2.2 880,3185 892.61,3197.61 Soc1.3
Net3_2: 3.2 Soc1.7 | length 219.6
  Top Layer w10: Soc1.7 942.61,3199.31 961.93,3180 1010,3180 1020,3170 3.2
Net4_2: 4.2 U2.14 | length 236.3
  Top Layer w10: U2.14 939.92,2971.25 951.86,2983.19 1050.6,2983.19 1075.92,3008.51 1076.25,3008.51 4.2
Net5_2: 5.2 U2.39 | length 353.1
  Top Layer w19.68: U2.39 853.31,2011.3 899.6,1965 5.2
Net7_1: 7.1 Cx5.1 U2.32 | length 1254.2
  Top Layer w12: 7.1 323.02,3175.97 Cx5.1 331,3117.42 cw(c231,3117.42) 301.71,3046.71 204.29,2949.29 ccw(c275,2878.58) 175,2878.58 175,2433.28 ccw(c243.28,2433.28) 195,2385 ccw(c230.93,2420.93) 230.93,2370.12 U2.32
NetC2_1: C2.1 C5.1 Cx2.2 J1.1 L1.2 R1.1 | length 3123.5
  Top Layer w19.68: J1.1 1055,1601.96 1090,1636.96 1090,1795 1195,1900 1405,1900 1590,1900 2045,1900 ; 2190,1955 2135,1900 2045,1900 ; v1@2356.26,2384.46 2356.26,2303.54 C2.1 2356.26,2170 2356.26,2116.26 2272.09,2032.09 2250,2032.09 L1.2 2030,1915 2045,1900 ; R1.1 2475,2860 2489.37,2845.63 Cx2.2
  Bottom Layer w19.68: C2.1 2247.5,2338.76 2247.5,2822.5 2288.31,2863.31 v3(2370,2863.31)
  other v1: 2250,1880 2320,1880 2250,1950 2320,1950 2250,2020 2320,2020 2350,2070 2350,2170 2345,2303.54 2339,2378.74 2300,2431.32
NetC13_1: C13.1 U2.28 | length 193
  Top Layer w12: C13.1 C13.1@324.69,2543.35
  Top Layer w20: C13.1@324.69,2543.35 U2.28
NetD1_2: D1.2 L1.1 U1.2 | length 858
  Top Layer w19.68: D1.2@1707.09,2415.23 1772.79,2480.94 1828.22,2480.94 1837.28,2490 1855,2490 1925,2560 ; L1.1 2030,2430 1925,2535 1930,2540 1930,2560 1930,2775 1948.07,2793.07 U1.2@2100,2793.07
NetESP1_14: ESP1.14
NetJP9_1: JP9.1 U2.7 | length 297.8
  Top Layer w19.68: U2.7 1119.81,2587.41 1173.48,2587.41 1220,2633.92 1220,2711.14 1235,2726.14 1306.23,2726.14 JP9.1
NetJP9_2: JP9.2 U2.6 | length 229.1
  Top Layer w19.68: U2.6 1182.5,2543.35 1262.02,2622.86 1302.95,2622.86 JP9.2
NetJP9_3: JP9.3 U2.5 | length 205.6
  Top Layer w19.68: U2.5 1198.35,2500.04 1229.84,2531.54 JP9.3
NetJP9_4: JP9.4 U2.4 | length 203
  Top Layer w19.68: U2.4 1241.87,2456.73 1258.4,2440.21 1302.95,2440.21 JP9.4
NetJP9_5: JP9.5 U2.3 | length 234.6
  Top Layer w19.68: U2.3 1229.73,2413.43 JP9.5 JP9.5@1303.47,2331.54
NetLED1_1: LED1.1 R4.1 | length 415.3
  Top Layer w12: R4.1 1602.03,3480 1624.16,3502.13 1624.16,3720.84 1591.46,3753.54 1541.46,3753.54 LED1.1
NetLED1_3: LED1.3 R3.1 | length 214.1
  Top Layer w12: 1449.46,3524.46 1529.83,3604.83 1529.83,3646.13 LED1.3
  Top Layer w19.68: R3.1 1449.46,3524.46
NetLED3_1: LED3.1 R100.1 | length 183.3
  Top Layer w19.68: R100.1 202.5,192.5 357.5,192.5 365,185 LED3.1 LED3.1@375,195
NetR1_2: R1.2 R2.1 U1.4 | length 285.3
  Top Layer w19.68: U1.4@2100,2926.93 2106.93,2920 2245,2920 2275,2950 R2.1 R1.2
RX_ESP: C8.2 ESP1.15 R7.1 R11.2 | length 2358.4
  Top Layer w19.68: C8.2@371.98,645 C8.2 375.23,639.77 429.45,639.77 620.22,449 ESP1.15 ; v3(575,1310) 1080,1310 R11.2@1080,1405.43
  Bottom Layer w19.68: C8.2 280,645 245,680 245,1193.11 361.89,1310 v3(575,1310)
RX_SIM: R12.1 R13.1 U2.2 | length 1109.3
  Top Layer w19.68: U2.2 1187.38,2370.12 1235,2322.5 v3(1235,2081.41) ; v3(1312.43,1646.69) 1382.5,1576.62 R13.1 R12.1
  Bottom Layer w19.68: v3(1235,2081.41) 1245,2071.41 1245,1714.12 v3(1312.43,1646.69)
SimClk: 2.1 U2.16 | length 144.6
  Top Layer w10: U2.16 853.31,2983.19 874.09,3003.98 874.09,3039.09 2.1
SimData: 3.1 C11.2 U2.15 | length 211.7
  Top Layer w10: U2.15 896.61,2971.76 942.61,3017.76 ; C11.2@938.82,3032.43 951.4,3045 3.1
SimRST: 1.1 U2.17 | length 139.2
  Top Layer w10: U2.17@809.25,2912.21 1.1@809.25,3049.1
  Top Layer w19.68: 1.1@808.35,3050 1.1@809.25,3049.1 ; U2.17@809.25,2912.21 U2.17
SIMVCC: C4.1 Soc1.1 U2.18 | length 828.7
  Top Layer w19.68: v3(730,3108.69) 731.31,3108.69 766.69,3073.31 U2.18 ; Soc1.1 1092.61,3179.45 1115.64,3156.43 C4.1@1115.64,3150.59
  Bottom Layer w19.68: v3(730,3108.69) 735.8,3114.49 735.8,3135.8 810.97,3210.97 1075.98,3210.97 1102.11,3184.85 v3(1102.11,3142.02)
SVCC: C6.1 C10.2 Cx3.1 Cx4.1 F1.2 U2.34 U2.35 | length 866.2
  Top Layer w19.68: C6.1@628.58,1834.56 C6.1@651.18,1857.16 ; U2.34 636.77,2094.23 651,2080 651,1990 651,1866.69 651,1857.34 C6.1@651.18,1857.16 ; F1.2 658.34,1643.51 658.34,1724.99 C6.1 C6.1@651.18,1857.16 ; C6.1@660.71,1866.69 C6.1@651.18,1857.16 ; Cx3.1@666.25,2094.23 680.08,2108.06 U2.35 ; F1.2@670.2,1640 C10.2@670.2,1734.99
TX_ESP: C8.1 ESP1.16 LED3.2 R5.2 R12.2 | length 3096.9
  Top Layer w19.68: LED3.2@352.75,272.74 LED3.2 ; LED3.2@370,300 C8.1 ; ESP1.16 1010.32,366.5 876.93,366.5 608.5,366.5 459.29,515.71 ccw(c388.58,445) 388.58,545 C8.1 ; R12.2 1292.5,1310 1292.5,1108.22 1280.97,1096.69 261.69,1096.69 175,1010 175,557.5 187.5,545 C8.1
TX_SIM: R11.1 U2.1 | length 1020
  Top Layer w19.68: U2.1 1138.89,2326.81 1140.71,2324.99 1140.71,2081.41 v3(1139.29,2080) ; 1170,1376.56 1170,1610.08 v3(1213.31,1653.38)
  Bottom Layer w19.68: v3(1139.29,2080) 1213.31,2005.99 v3(1213.31,1653.38)
V_ESP: C3.1 C14.2 Cx12.2 DC1.3 F2.1 R100.2 U3.2 U3.4 | length 4409.9
  Top Layer w19.68: R100.2 95,285 70,310 70,1240 195,1365 430,1365 432.5,1362.5 445,1375 450,1375 v1(440,1365) ; U3.2 U3.4 1920.79,1463 1920.79,1691.02 1964.77,1735 2337.5,1735 ; C3.1 C3.1@2167.52,1022.89
  Bottom Layer w19.68: v1(440,1365) 442.5,1362.5 1612.54,1362.5 ccw(c1612.54,1471.04) 1689.29,1394.29 2000.71,1705.71 cw(c2071.42,1635) 2071.42,1735 DC1.3@2255,1735
VCC_LESP: Cx6.2 Cx7.1 Cx8.2 Cx9.2 ESP1.1 ESP1.8 F2.2 HD1.8 R4.2 R5.1 R6.1 R8.2 R10.2 R90.2 | length 6015.9
  Top Layer w19.68: v1(676.96,581.19) 685.77,590 755.16,590 765,599.84 R6.1 ; R5.1 Cx9.2 ; v1(1460.63,1216.87) Cx9.2 ; v1(1505.41,1607.9) 1460.63,1563.12 Cx9.2 ; v1(1530,3306.66) 1535,3311.66 R4.2 ; ESP1.1@1560,363 Cx8.2@1668,363 ; ESP1.8@1565.63,920.63 Cx6.2 1696.98,932.6 1855,932.6 ; R10.2@1689.84,152.03 1681.88,160 1681.88,245 ; 1755,917.5 R90.2 R8.2 1755,456.53 1743.47,445 1693.41,445 1681.88,433.47 Cx8.2 1681.88,245 ; 1860,932.6 v1(1893.03,932.6) ; HD1.8 2115.37,270.37 2115.37,220.37 2100,205 1835,205 1800,240 1686.88,240 1681.88,245
  Bottom Layer w19.68: v1(676.96,581.19) 765,669.23 765,1050 cw(c865,1050) 844.2,1147.81 cw(c846.38,1147.81) 846.38,1150 848.25,1151.87 1460.63,1151.87 ; v1(1460.63,1216.87) 1460.63,1151.87 ; v1(1505.41,1607.9) 1500,1613.31 1500,3201.33 1530,3231.33 v1(1530,3306.66) ; v1(1893.03,932.6) 1853.66,932.6 1835.42,950.84 1676.6,1109.66 ccw(c1579.21,1012.27) 1579.21,1150 1577.34,1151.87 1460.63,1151.87
VDDEXIT: JP9.6 U2.40 | length 744.6
  Top Layer w19.68: U2.40 896.61,2078.39 953.61,2021.39 1283.89,2021.39 1312.43,2049.93 JP9.6@1312.43,2203.15
pads on no net: C8.4 DC1.4 ESP1.2 Soc1.6 Soc1.10 Soc1.11 Soc1.12 Soc1.13 SW1. U1.5 U2.9 U2.10 U2.11 U2.12 U2.20 U2.22 U2.23 U2.24 U2.25 U2.26 U2.29 U2.38 U2.42

## Polygon pours and split planes (outlines as drawn)
GND on Bottom Layer "GND_L02_P018" (solid, remove dead copper, pour order 18): 1420,3895 1430,3885 2655,3885 2655,215 2640,200 2630,210 90,210 90,1510 1434.28,1510
GND_L_SIM on Bottom Layer "GND_L_SIM_L02_P017" (solid, remove dead copper, pour order 17): 70,1545 100,1545 1385,1545 1385,2213.2 1380,2218.2 1380,3895 70,3895
GND on Top Layer "GND_L01_P016" (solid, remove dead copper, pour order 16): 1417.14,3893.42 1420.97,3889.59 2650.5,3889.59 2650.5,59.59 1675.5,59.59 1658,77.09 1658,998.96 1428.71,998.96 1420.5,1007.17 1413.71,1000.38 935.5,1000.38 935.5,334.59 930.5,329.59 108.31,329.59 88.31,349.59 88.31,1374.59 1134.79,1374.59 1174.5,1414.3 1156.44,1432.36 1156.44,1760.89 1205.5,1809.95 1208.8,1806.64 1430.5,1806.64 1430.5,2146.95
GND_L_SIM on Top Layer "GND_L_SIM_L01_P015" (solid, remove dead copper, pour order 15): 70,2335.32 70,1517.5 1312.5,1517.5 1430,1400 1430,3895.83 1123.11,3895.83 1123.11,3479.06 1114.06,3470 665,3470 644.06,3490.94 644.06,3882.68 514.5,3882.68 501,3869.18 501,2325.65
GND_L_SIM on Top Layer "GND_L_SIM_L01_P005" (solid, remove dead copper, pour order 5): 70,2315 70,3884.4 78.09,3892.49 530,3892.49 530,2325 540,2315

## Other copper
Top Layer:
  region net V_ESP: 1930,1425 1938.19,1433.19 1938.19,1677.45 1964.77,1704.03 2250,1704.03 2250,1764.03 2253.39,1767.42 1882.42,1767.42 1860,1745 1860,1495
  region: 524.57,3768.1 ccw(c549.57,3768.1) 549.57,3743.1 610.12,3743.1 ccw(c610.12,3746.78) 613.81,3746.78 613.81,3907.09 ccw(c599.57,3907.09) 599.57,3921.33 541.89,3921.33 ccw(c541.89,3904.01) 524.57,3904.01
  region: 1270.82,3405 cw(c1270.82,3395.82) 1280,3395.82 1280,3345 cw(c1270,3345) 1270,3335 1185,3335 cw(c1185,3340) 1180,3340 cw(c1180,3345) 1175,3345 1175,3400 cw(c1180,3400) 1180,3405
  region: 1244.37,3915 cw(c1244.37,3910) 1249.37,3910 1249.37,3793.75 cw(c1245.63,3793.75) 1245.63,3790 1184.37,3790 cw(c1184.37,3805) 1169.37,3805 1169.37,3910 cw(c1174.37,3910) 1174.37,3915
  region: 522.55,3529.81 610.97,3529.81 cw(c610.97,3523.04) 617.74,3523.04 617.74,3330 cw(c607.55,3330) 607.55,3319.81 532.55,3319.81 cw(c532.55,3329.81) 522.55,3329.81 522.55,3522.31 cw(c530.05,3522.31) 530.05,3529.81
  region net GND: 1995,3355 1995,3488.1 1890,3593.1 1890,3692.27 1927.73,3730 2355,3730 2390,3695 2425,3730 2471.89,3730 2471.89,3786.89 2480,3795 2415,3860 1865.09,3860 1758.62,3753.54 1780,3732.16 1780,3633.07 1903.1,3509.98 1903.1,3347.67
  region net GND: 1707.09,1955 1715,1962.91 1715,2210.86 1689.14,2210.86 1670,2230 1658.54,2218.54 1566.59,2218.54 1566.59,2220.35 1500,2286.93 1500,2610.3 1547.24,2657.54 1730.63,2657.54 1730.63,2785.63 1807.84,2862.84 1807.84,2849.14 1883.04,2849.14 1890,2842.18 1890,3190.06 1916.2,3216.25 1442.82,3216.25 1440,3213.43 1440,2152.36 1450,2142.36 1440,2142.36 1440,1999.37 1484.37,1955
  region net NetC2_1: 1040,1560 1115,1560 1115,1750 1220,1855 2024.85,1855 2024.85,1910 2007.48,1927.37 1152.8,1927.37 1028.58,1803.15 1028.58,1578.88
  region net NetD1_2: 1715,2326.81 1715,2338.86 1746.26,2370.12 2130.12,2370.12 2140,2380 2140,2496.93 1963.07,2673.86 1963.07,2753.07 1984.36,2774.36 2045,2774.36 2045,2775 2075,2805 2075,2815 1890,2815 1865,2790 1865,2560 1820,2515 1635,2515 1570,2450 1570,2326.81
  region net NetD1_2: 1570,2431.32 1570,2560 1840,2560 1870,2590 1874.64,2585.36 1874.64,2431.32
  region net GND: 1970,3050.09 2514.91,3050.09 2515,3050 2515,3077.87 2357.87,3235 1988.75,3235 1970,3216.25
  region net 4V: 865.23,1590 928.62,1653.38 986.62,1653.38 1000,1640 1000,1495 940,1435 550,1435 540,1445 540,1590
  region net NetC2_1: 2470,2745 2520,2745 2520,2752.3 2530,2762.3 2530,2885 2505,2910 2350,2910 2335,2895 2335,2841 2339,2841 2360,2820 2455,2820 2470,2805
  region net +12: 2435,3525 2655,3525 2655,2465 2575.32,2465 2410.36,2629.96 2080.04,2629.96 2035,2675 2035,2745 2176.57,2745 2221.57,2700 2535,2700 2550,2715 2550,3071.25 2355,3266.25 2355,3430 2440,3515
  region net GND: 2017.77,245 2025.27,306.25 1950.27,306.25 1950.27,421.25 1855.27,421.25 1855.27,245
  region net GND: 2215,3209.37
  region net GND: 2160.88,2841 2159.69,2842.18 1890,2842.18 1890,3385 1995,3385 1995,2877.5 2159.38,2877.5 2160.88,2879
  region net GND: 1855,370 1950,370 1950,400 1960,410 1955,415 1955,420 1845,420 1840,415
  region: 1840,415
  region: 533.59,1320
  region net GND: 1542.46,1339.79 1780,1339.79 1780,1274.79 1542.46,1274.79
  region: 1695,2032.09
  region net V_ESP: 1870.34,1055 2435,1055 2435,1704.03 2385.34,1704.03 2220.34,1704.03 2220.34,1769.03 2510.34,1769.03 2510.34,984.03 1870.34,984.03
  region net NetC2_1: 1975,2080 2300,2080 2335,2115 2335,2285 2340,2290 2380,2290 2385,2285 2385,1910 2330,1855 1985,1855 1925,1915 1925,2020
  region net GND: 990,923.59 990,1015 1005,1030 1820,1030 1820,990 1060,990 1035,965 1035,907.8
  region net VCC_LESP: 1555,889.38 1911.58,889.38 1930,907.8 1930,950 1925,955 1840,955 1825,940 1820,945 1545,945 1535,935 1535,895
  region net GND: 365,775 510,775 557.18,822.18 557.18,837.82 617.82,837.82 635,855 635,780 580,725 365,725
  region net GPIO0: 632.84,610 632.84,690 560.2,690 545.2,675 545.2,625 560.2,610
  region net GND: 635,940 635,832.5 637.5,830 565,830 557.18,837.82 557.18,940
  region net GND: 2125,2875 2302.5,2875 2315,2862.5 2315,2805 2405,2805 2405,2755 2255,2755 2250,2760 2250,2840 2119.37,2840 2115,2844.37
  region: 810,2911.46
Bottom Layer:
  region net NetC2_1: 2380,2190 2380,2392.72 2290,2482.72 2290,2780 2310,2800 2380,2800 2400,2820 2400,2900 2392.5,2900 2382.5,2910 2377.5,2905 2155,2905 2155,1795 2345,1795 2385,1835 2382.5,1837.5 2382.5,2170
  region net GND: 2430,2250 2460,2280 2487.5,2280 2487.5,2202.5 2485,2205 2435,2205
  region net GND: 2277.5,3301.39 2277.5,3217.82 2497.5,2997.82 2497.5,1657.82 2447.5,1607.82 2217.5,1607.82 2217.5,1637.82 2202.5,1652.82 2207.5,1657.81 2207.5,1664.48 2409.17,1664.48 2432.5,1687.82 2432.5,3012.19 2232.5,3212.19 2232.5,3307.82
  region net +12: 2390,3250 2415,3275 2415,3385 2485,3455 2455,3485 2455,3487.5 2412.5,3487.5 2350,3425 2350,3275
  region net +12: 2410,3515 2430,3495 2570,3495 2650,3415 2650,1505 2255,1505 2255,1545 2275,1565 2510,1565 2545.31,1600.31 2545.32,3255 2386.36,3255

## Silkscreen, mask and mechanical layers (free items; w line width, h text height)
Top Overlay:
  text "4.1 V" at 2511.26,2885 h60 r90
  text "20/12/2022" at 335.13,1667.56 h118.11 r90
  text "3.3 V" at 2440,1503.47 h60 r90
  text "Test  Vol / 4.1V" at 88.31,1374.59 h118.11
  text "Tx-Rx-GND" at 295,490 h60 r90
  text "16     |  14   |  12 | 13 |12V / GND | 3.3V |  15 |  2   | 12V" at 1950.27,445.5 h59.06
  text "+ -" at 565,170 h118.11 r90
Top Solder:
  lines w50: 635.85,1485 855,1485 920,1550 ; 1095,1700 1095,1785.79 1209.21,1900 1970,1900 1980,1890 2220,1890 ; 2460,2660 2565,2660 ; 2495,3345 2580,3260 2580,2660
Bottom Solder:
  lines w50: 2230,2895 2230,2505 2330,2405 2330,2130 2332.5,2132.5
Mechanical 1:
  lines w15.75: 0,0 0,3935 2735,3935 2735,0 1630,0 1630,280 1430,280 1430,890 1115,890 1115,270 815,270 815,0 0,0 ; 635,2385 636.69,2386.69 636.69,2763.31 980,2763.31 980,2385 635,2385

## Dimensions
1655,4200 to 1025,4240 on Top Overlay

## Text inside footprints (layer, text, board x,y; h text height)
C1: Top Overlay "+" at 2489.96,3309.02 h59.06 r180
C2: Top Overlay "+" at 2245.04,2200.98 h59.06
C3: Top Overlay "+" at 2138.51,1125.98 h59.06 r270
C5: Top Overlay "+" at 1619.02,1784.41 h59.06 r90
ESP1: Top Overlay "ESP-07" at 1450.45,645 h60 r180; Mechanical 4 ">VALUE" at 950.45,370 h1.55 r270; Mechanical 4 ">VALUE" at 950.45,449 h1.55 r270; Mechanical 4 ">VALUE" at 950.45,527 h1.55 r270; Mechanical 4 ">VALUE" at 950.45,606 h1.55 r270; Mechanical 4 ">VALUE" at 950.45,685 h1.55 r270; Mechanical 4 ">VALUE" at 950.45,764 h1.55 r270; Mechanical 4 ">VALUE" at 950.45,842 h1.55 r270; Mechanical 4 ">VALUE" at 950.45,921 h1.55 r270; Mechanical 4 ">VALUE" at 1619.45,842 h1.55 r270; Mechanical 4 ">VALUE" at 1619.45,764 h1.55 r270; Mechanical 4 ">VALUE" at 1619.45,685 h1.55 r270; Mechanical 4 ">VALUE" at 1619.45,606 h1.55 r270; Mechanical 4 ">VALUE" at 1619.45,527 h1.55 r270; Mechanical 4 ">VALUE" at 1619.45,449 h1.55 r270; Mechanical 4 ">VALUE" at 1619.45,370 h1.55 r270; Mechanical 4 ">VALUE" at 1617.45,371 h1.55 r270; Mechanical 4 ">VALUE" at 1617.45,451 h1.55 r270; Mechanical 4 ">VALUE" at 1618.45,842 h1.55 r270
Soc1: Top Overlay "SIM" at 902.61,3695.92 h157.48 r180; Top Overlay "icro" at 902.61,3585.92 h118.11 r180; Top Overlay "M" at 1112.61,3690.92 h314.96 r180
U1: Top Overlay "1" at 2098,2658.36 h39.37 r90